# Altium PCB H-00488.PcbDoc (part 8 of 9) (continued)
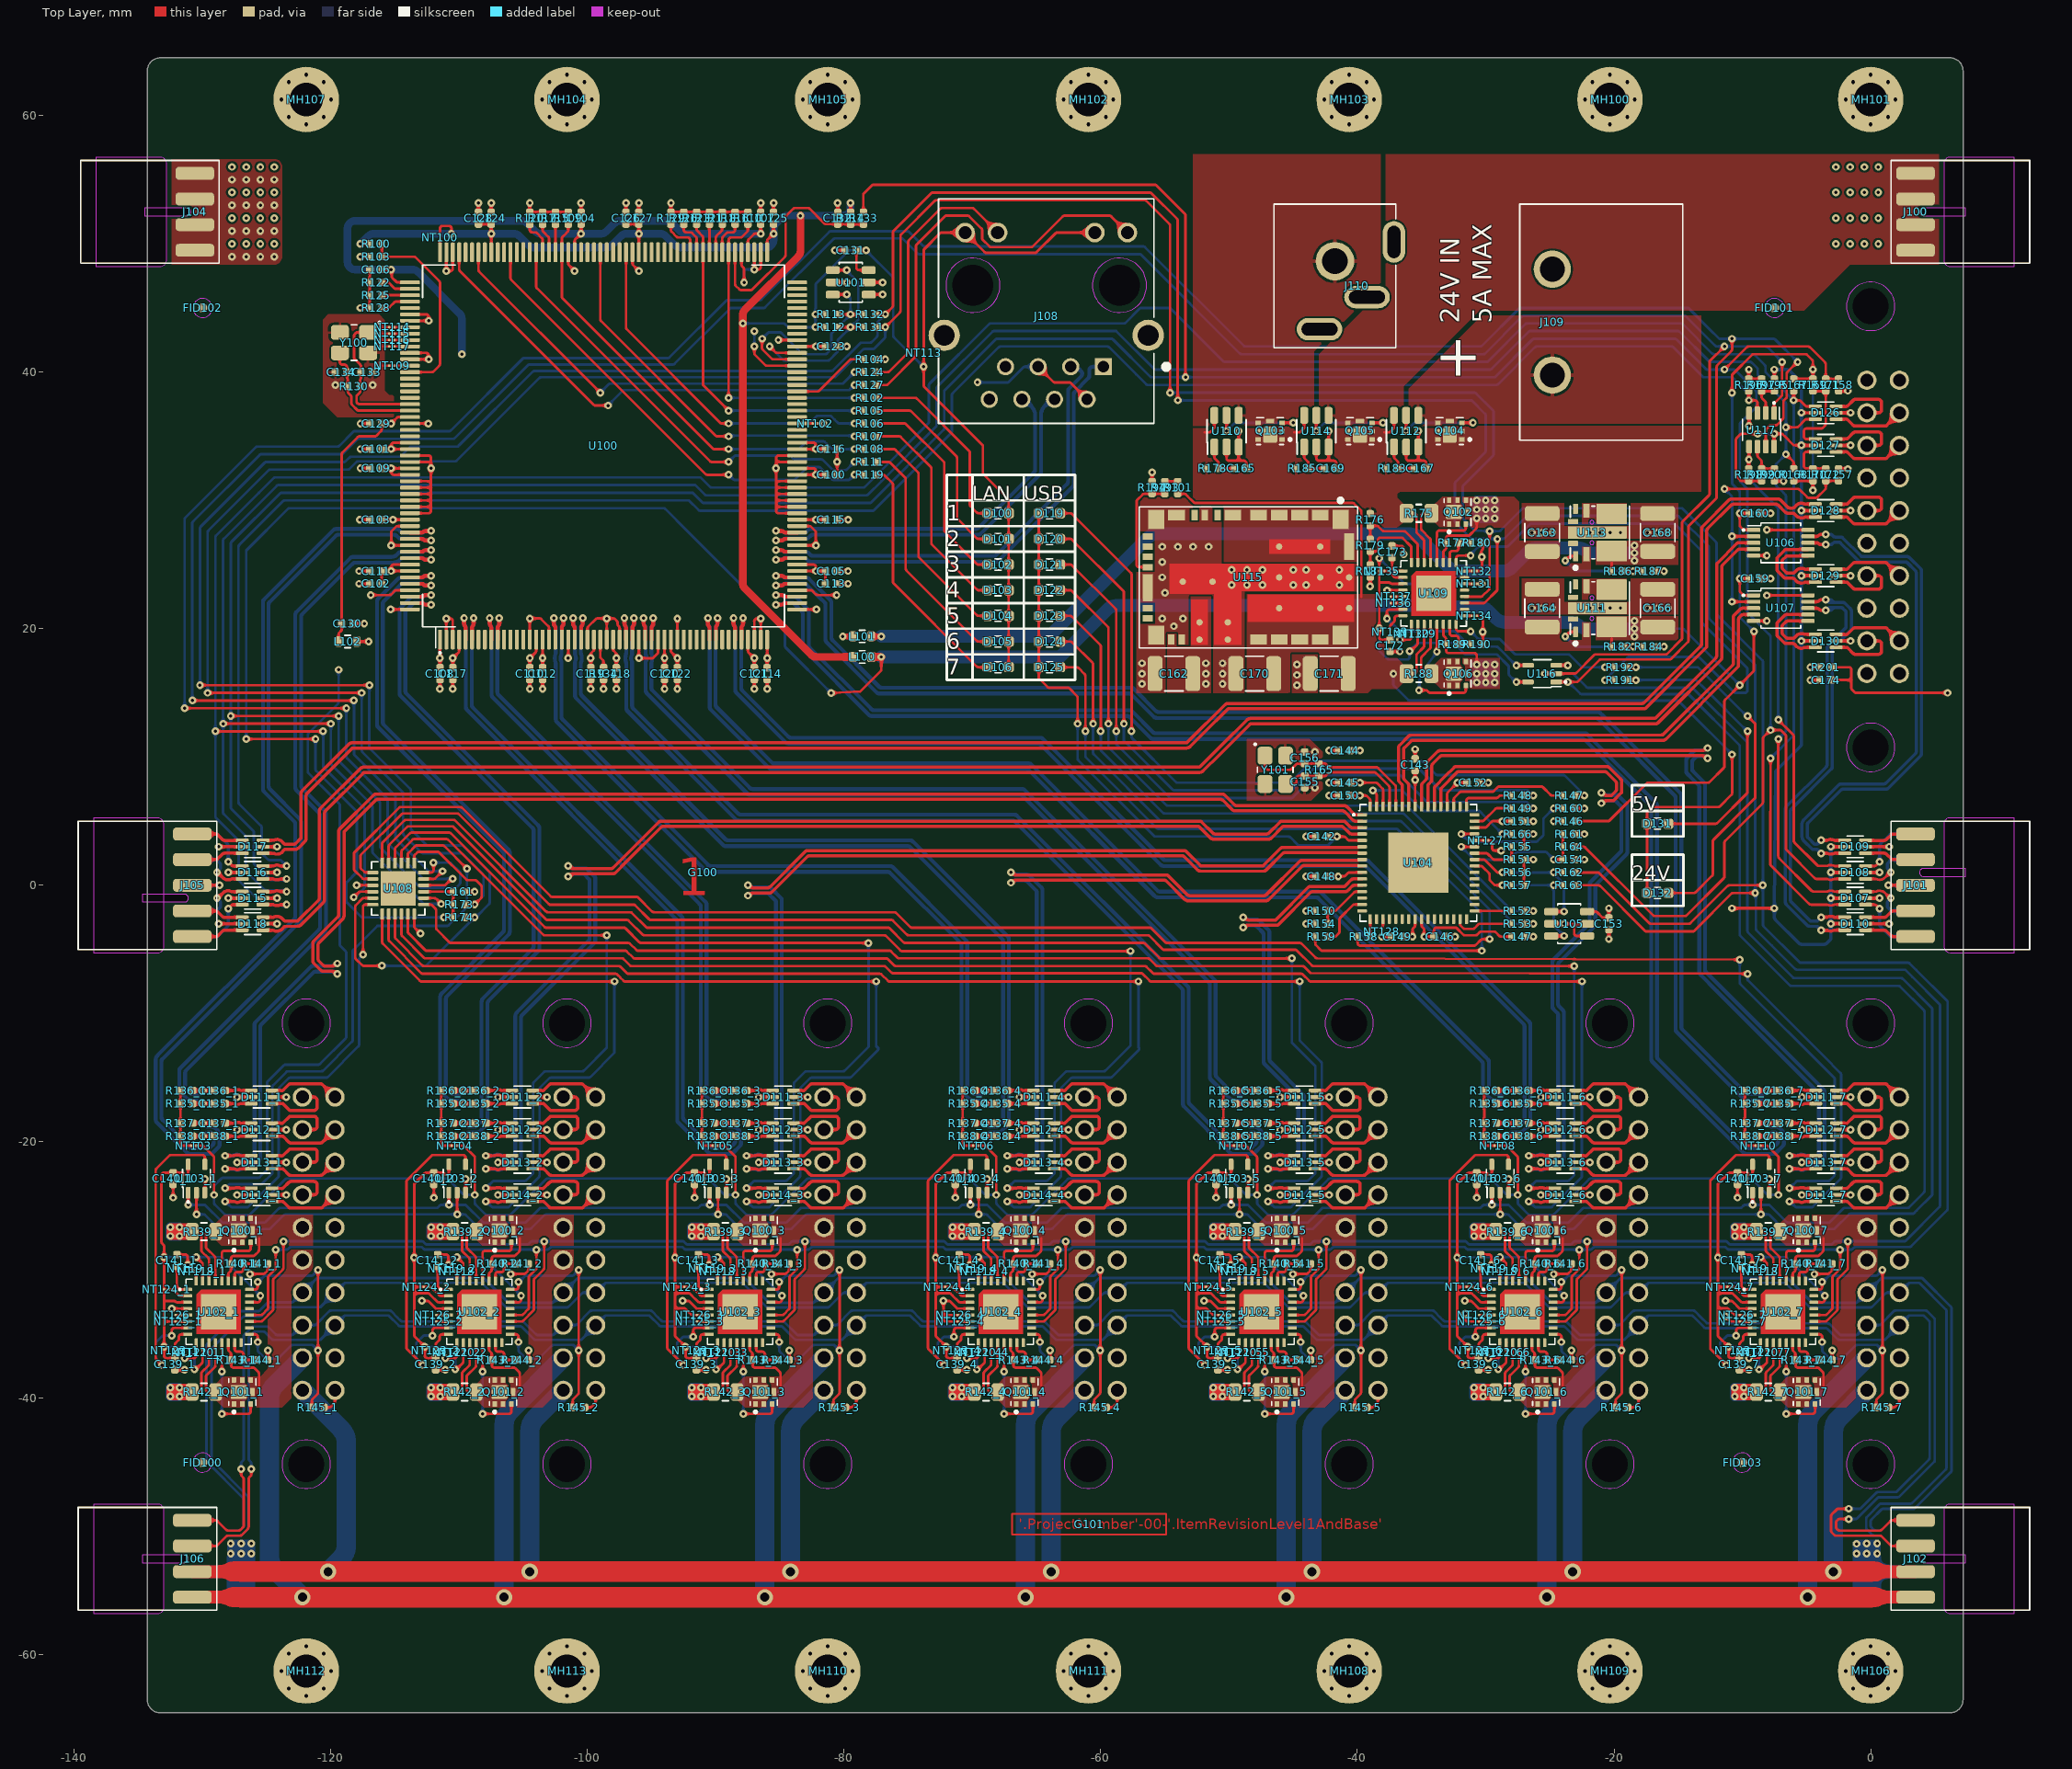
[diagram p0: Top Layer view]
## Nets (pads, with @x,y where several pads share a name; then routed paths per layer and width w, separated by ;. In a path a pad name is that pad's centre, name@x,y a point inside that pad or via, vN(x,y) a via of type N, cw(c..) or ccw(c..) an arc to the next point about the centre after c; other vN are vias at no path point) (continued)
  Top Layer w0.25: v1(-127.3,-24.13) D114_1.5@-126.2,-24.13 ; v1(-127.3,-21.59) D113_1.5@-126.2,-21.59 ; v1(-127.3,-19.05) D112_1.5@-126.2,-19.05 ; v1(-127.3,-16.51) D111_1.5@-126.2,-16.51 ; D118.5@-125.3,-3 D118.5@-125.295,-3 v1(-124.2,-3) ; D115.5@-125.295,-1 v1(-124.195,-1) ; D116.5@-125.295,1 v1(-124.195,1) ; D117.5@-125.295,3 v1(-124.2,3) ; v1(-106.98,-24.13) D114_2.5@-105.88,-24.13 ; v1(-106.98,-21.59) D113_2.5@-105.88,-21.59 ; v1(-106.98,-19.05) D112_2.5@-105.88,-19.05 ; v1(-106.98,-16.51) D111_2.5@-105.88,-16.51 ; v1(-86.66,-24.13) D114_3.5@-85.56,-24.13 ; v1(-86.66,-21.59) D113_3.5@-85.56,-21.59 ; v1(-86.66,-19.05) D112_3.5@-85.56,-19.05 ; v1(-86.66,-16.51) D111_3.5@-85.56,-16.51 ; v1(-66.34,-24.13) D114_4.5@-65.24,-24.13 ; v1(-66.34,-21.59) D113_4.5@-65.24,-21.59 ; v1(-66.34,-19.05) D112_4.5@-65.24,-19.05 ; v1(-66.34,-16.51) D111_4.5@-65.24,-16.51 ; v1(-46.02,-24.13) D114_5.5@-44.92,-24.13 ; v1(-46.02,-21.59) D113_5.5@-44.92,-21.59 ; v1(-46.02,-19.05) D112_5.5@-44.92,-19.05 ; v1(-46.02,-16.51) D111_5.5@-44.92,-16.51 ; v1(-25.7,-24.13) D114_6.5@-24.6,-24.13 ; v1(-25.7,-21.59) D113_6.5@-24.6,-21.59 ; v1(-25.7,-19.05) D112_6.5@-24.6,-19.05 ; v1(-25.7,-16.51) D111_6.5@-24.6,-16.51 ; v1(-10.8,-1.8) v1(-7.5,-1.8) ; v1(-5.395,19.05) D130.5@-4.3,19.05 ; v1(-5.395,24.13) D129.5@-4.3,24.13 ; v1(-5.395,29.21) D128.5@-4.3,29.21 ; v1(-5.395,34.29) D127.5@-4.3,34.29 ; v1(-5.38,-24.13) D114_7.5@-4.28,-24.13 ; v1(-5.38,-21.59) D113_7.5@-4.28,-21.59 ; v1(-5.38,-19.05) D112_7.5@-4.28,-19.05 ; v1(-5.38,-16.51) D111_7.5@-4.28,-16.51 ; v1(-3.11,-3) D110.5@-2.01,-3 ; v1(-3.11,-1) D107.5@-2.01,-1 ; v1(-3.11,1) D108.5@-2.01,1 ; v1(-3.11,3) D109.5@-2.01,3
  Top Layer w0.6: v1(-132.502,-26.654) v1@-131.802,-26.654 ; v1@-132.5,-26.652 v1(-132.5,-27.352) v1(-131.8,-27.352) ; v1@-131.8,-26.657 v1@-131.802,-26.654 ; v1(-131.8,-26.652) v1@-131.802,-26.654 ; v1(-112.182,-26.654) v1@-111.482,-26.654 ; v1@-112.18,-26.652 v1(-112.18,-27.352) v1(-111.48,-27.352) ; v1@-111.48,-26.657 v1@-111.482,-26.654 ; v1(-111.48,-26.652) v1@-111.482,-26.654 ; v1(-91.862,-26.654) v1@-91.162,-26.654 ; v1@-91.86,-26.652 v1(-91.86,-27.352) v1(-91.16,-27.352) ; v1@-91.16,-26.657 v1@-91.162,-26.654 ; v1(-91.16,-26.652) v1@-91.162,-26.654 ; v1(-71.542,-26.654) v1@-70.842,-26.654 ; v1@-71.54,-26.652 v1(-71.54,-27.352) v1(-70.84,-27.352) ; v1@-70.84,-26.657 v1@-70.842,-26.654 ; v1(-70.84,-26.652) v1@-70.842,-26.654 ; v1(-51.222,-26.654) v1@-50.522,-26.654 ; v1@-51.22,-26.652 v1(-51.22,-27.352) v1(-50.52,-27.352) ; v1@-50.52,-26.657 v1@-50.522,-26.654 ; v1(-50.52,-26.652) v1@-50.522,-26.654 ; v1(-30.902,-26.654) v1@-30.202,-26.654 ; v1@-30.9,-26.652 v1(-30.9,-27.352) v1(-30.2,-27.352) ; v1@-30.2,-26.657 v1@-30.202,-26.654 ; v1(-30.2,-26.652) v1@-30.202,-26.654 ; v1(-10.582,-26.654) v1@-9.882,-26.654 ; v1@-10.58,-26.652 v1(-10.58,-27.352) v1(-9.88,-27.352) ; v1@-9.88,-26.657 v1@-9.882,-26.654 ; v1(-9.88,-26.652) v1@-9.882,-26.654
  Top Layer w1.3: -131.8,-27 R139_1.2@-131.01,-27 ; -111.48,-27 R139_2.2@-110.69,-27 ; -91.16,-27 R139_3.2@-90.37,-27 ; -70.84,-27 R139_4.2@-70.05,-27 ; -50.52,-27 R139_5.2@-49.73,-27 ; -30.2,-27 R139_6.2@-29.41,-27 ; -9.88,-27 R139_7.2@-9.09,-27
  Bottom Layer w0.2: v1(-8.8,35.2) v1(-7.525,35.2) ; v1@-5.4,34.29 v1(-5.395,34.29)
  Bottom Layer w0.25: v1(-7.525,35.2) v1@-7.5,35.2 ; v1@-7.509,-1.81 v1(-7.5,-1.8) -7.417,8.782 ; v1@-7.5,-1.9 -7.5,-2.496 ccw(c-7.25,-2.496) -7.427,-2.673 -5.572,-4.528 ccw(c-5.396,-4.35) -5.398,-4.6 -3.604,-4.6 ccw(c-3.604,-4.35) -3.427,-4.527 -3.177,-4.277 ccw(c-3.355,-4.101) -3.105,-4.101 -3.105,-3.105 v1@-3.1,-3.1 ; v1(-7.5,40.2) -6.504,40.2 cw(c-6.504,39.95) -6.326,40.126 -5.472,39.272 cw(c-5.649,39.095) -5.399,39.095 -5.403,36.862 cw(c-5.653,36.862) v1(-5.405,36.83) ; -7.417,8.783 cw(c-7.167,8.78) -7.344,8.956 -5.6,10.7 -5.467,10.833 ccw(c-5.645,11.009) -5.395,11.009 v1(-5.395,19.05) ; v1(-5.405,36.83) cw(c-5.655,36.824) -5.405,36.826 -5.4,36.032 cw(c-5.65,36.03) -5.4,36.03 -5.4,34.29 -5.4,29.21 -5.4,24.13 v1@-5.4,19.05 ; v1@-3.105,-3 v1@-3.105,3
  Bottom Layer w0.75: v1@-132.504,-26.652 v1@-131.804,-26.652 ; v1(-132.502,-26.654) -132.502,-27.35 -131.802,-27.35 v1@-131.802,-26.65 ; v1@-112.184,-26.652 v1@-111.484,-26.652 ; v1(-112.182,-26.654) -112.182,-27.35 -111.482,-27.35 v1@-111.482,-26.65 ; v1@-91.864,-26.652 v1@-91.164,-26.652 ; v1(-91.862,-26.654) -91.862,-27.35 -91.162,-27.35 v1@-91.162,-26.65 ; v1@-71.544,-26.652 v1@-70.844,-26.652 ; v1(-71.542,-26.654) -71.542,-27.35 -70.842,-27.35 v1@-70.842,-26.65 ; v1@-51.224,-26.652 v1@-50.524,-26.652 ; v1(-51.222,-26.654) -51.222,-27.35 -50.522,-27.35 v1@-50.522,-26.65 ; v1@-30.904,-26.652 v1@-30.204,-26.652 ; v1(-30.902,-26.654) -30.902,-27.35 -30.202,-27.35 v1@-30.202,-26.65 ; v1@-30.702,15.8 v1@-29.304,15.8 ; v1@-30.702,15.802 v1@-30.702,17.2 ; v1@-30.7,17.198 v1@-29.302,17.198 ; v1@-30.002,15.802 v1@-30.002,17.2 ; v1@-29.302,15.802 v1@-29.302,17.2 ; v1@-10.584,-26.652 v1@-9.884,-26.652 ; v1(-10.582,-26.654) -10.582,-27.35 -9.882,-27.35 v1@-9.882,-26.65
  other v1: -30.7,15.8 -30,15.8 -29.3,15.8 -30.7,16.5 -30,16.5 -29.3,16.5 -30,17.2 -29.3,17.2
V_24P0: C162.2 C163.2 C164.2 J104.1 J104.2 J104.3 J104.4 Q102.4 Q102.8 R142_1.2 R142_2.2 R142_3.2 R142_4.2 R142_5.2 R142_6.2 R142_7.2 R177.1 U102_1.11 U102_2.11 U102_3.11 U102_4.11 U102_5.11 U102_6.11 U102_7.11 U109.27 U111.2 U113.2 U115.20 U115.22 U115.39 | length 85.2
  Top Layer w0.2: R142_1.2@-130.815,-39.5 -130.294,-39.5 ccw(c-130.294,-39.3) -130.094,-39.3 -130.094,-38.076 cw(c-129.894,-38.076) -130.035,-37.935 -129.559,-37.459 ccw(c-129.7,-37.317) -129.5,-37.317 U102_1.11@-129.5,-35.654 ; R142_2.2@-110.495,-39.5 -109.974,-39.5 ccw(c-109.974,-39.3) -109.774,-39.3 -109.774,-38.076 cw(c-109.574,-38.076) -109.715,-37.935 -109.239,-37.459 ccw(c-109.38,-37.317) -109.18,-37.317 U102_2.11@-109.18,-35.654 ; R142_3.2@-90.175,-39.5 -89.654,-39.5 ccw(c-89.654,-39.3) -89.454,-39.3 -89.454,-38.076 cw(c-89.254,-38.076) -89.395,-37.935 -88.919,-37.459 ccw(c-89.06,-37.317) -88.86,-37.317 U102_3.11@-88.86,-35.654 ; R142_4.2@-69.855,-39.5 -69.334,-39.5 ccw(c-69.334,-39.3) -69.134,-39.3 -69.134,-38.076 cw(c-68.934,-38.076) -69.075,-37.935 -68.599,-37.459 ccw(c-68.74,-37.317) -68.54,-37.317 U102_4.11@-68.54,-35.654 ; R142_5.2@-49.535,-39.5 -49.014,-39.5 ccw(c-49.014,-39.3) -48.814,-39.3 -48.814,-38.076 cw(c-48.614,-38.076) -48.755,-37.935 -48.279,-37.459 ccw(c-48.42,-37.317) -48.22,-37.317 U102_5.11@-48.22,-35.654 ; U109.27@-33.3,25.15 -33.3,25.955 cw(c-33.1,25.955) -33.242,26.097 -33.14,26.199 ccw(c-33.28,26.341) -33.08,26.341 R177.1@-33.08,26.7 ; R177.1@-33.081,26.65 -33.081,27.052 cw(c-32.881,27.052) -32.88,27.252 -31.382,27.252 ccw(c-31.382,27.452) -31.24,27.311 -30.801,27.75 ; -30.8,27.751 -30.766,27.784 -30.759,27.792 ccw(c-30.9,27.933) -30.7,27.933 v1@-30.7,28.449 ; R142_6.2@-29.215,-39.5 -28.694,-39.5 ccw(c-28.694,-39.3) -28.494,-39.3 -28.494,-38.076 cw(c-28.294,-38.076) -28.435,-37.935 -27.959,-37.459 ccw(c-28.1,-37.317) -27.9,-37.317 U102_6.11@-27.9,-35.654 ; R142_7.2@-8.895,-39.5 -8.374,-39.5 ccw(c-8.374,-39.3) -8.174,-39.3 -8.174,-38.076 cw(c-7.974,-38.076) -8.115,-37.935 -7.639,-37.459 ccw(c-7.78,-37.317) -7.58,-37.317 U102_7.11@-7.58,-35.654
  Top Layer w0.6: v1(-132.502,-39.154) v1@-131.802,-39.154 ; v1@-132.5,-39.152 v1(-132.5,-39.852) v1(-131.8,-39.852) ; v1@-131.8,-39.157 v1@-131.802,-39.154 ; v1(-131.8,-39.152) v1@-131.802,-39.154 ; v1(-112.182,-39.154) v1@-111.482,-39.154 ; v1@-112.18,-39.152 v1(-112.18,-39.852) v1(-111.48,-39.852) ; v1@-111.48,-39.157 v1@-111.482,-39.154 ; v1(-111.48,-39.152) v1@-111.482,-39.154 ; v1(-91.862,-39.154) v1@-91.162,-39.154 ; v1@-91.86,-39.152 v1(-91.86,-39.852) v1(-91.16,-39.852) ; v1@-91.16,-39.157 v1@-91.162,-39.154 ; v1(-91.16,-39.152) v1@-91.162,-39.154 ; v1(-71.542,-39.154) v1@-70.842,-39.154 ; v1@-71.54,-39.152 v1(-71.54,-39.852) v1(-70.84,-39.852) ; v1@-70.84,-39.157 v1@-70.842,-39.154 ; v1(-70.84,-39.152) v1@-70.842,-39.154 ; v1(-51.222,-39.154) v1@-50.522,-39.154 ; v1@-51.22,-39.152 v1(-51.22,-39.852) v1(-50.52,-39.852) ; v1@-50.52,-39.157 v1@-50.522,-39.154 ; v1(-50.52,-39.152) v1@-50.522,-39.154 ; v1(-30.902,-39.154) v1@-30.202,-39.154 ; v1@-30.9,-39.152 v1(-30.9,-39.852) v1(-30.2,-39.852) ; v1@-30.2,-39.157 v1@-30.202,-39.154 ; v1(-30.2,-39.152) v1@-30.202,-39.154 ; v1(-10.582,-39.154) v1@-9.882,-39.154 ; v1@-10.58,-39.152 v1(-10.58,-39.852) v1(-9.88,-39.852) ; v1@-9.88,-39.157 v1@-9.882,-39.154 ; v1(-9.88,-39.152) v1@-9.882,-39.154
  Top Layer w1.3: -131.8,-39.5 R142_1.2@-131.01,-39.5 ; -111.48,-39.5 R142_2.2@-110.69,-39.5 ; -91.16,-39.5 R142_3.2@-90.37,-39.5 ; -70.84,-39.5 R142_4.2@-70.05,-39.5 ; -50.52,-39.5 R142_5.2@-49.73,-39.5 ; -30.2,-39.5 R142_6.2@-29.41,-39.5 ; -9.88,-39.5 R142_7.2@-9.09,-39.5
  Bottom Layer w0.75: v1@-132.504,-39.152 v1@-131.804,-39.152 ; v1(-132.502,-39.154) -132.502,-39.85 -131.802,-39.85 v1@-131.802,-39.15 ; v1@-112.184,-39.152 v1@-111.484,-39.152 ; v1(-112.182,-39.154) -112.182,-39.85 -111.482,-39.85 v1@-111.482,-39.15 ; v1@-91.864,-39.152 v1@-91.164,-39.152 ; v1(-91.862,-39.154) -91.862,-39.85 -91.162,-39.85 v1@-91.162,-39.15 ; v1@-71.544,-39.152 v1@-70.844,-39.152 ; v1(-71.542,-39.154) -71.542,-39.85 -70.842,-39.85 v1@-70.842,-39.15 ; v1@-51.224,-39.152 v1@-50.524,-39.152 ; v1(-51.222,-39.154) -51.222,-39.85 -50.522,-39.85 v1@-50.522,-39.15 ; v1@-30.904,-39.152 v1@-30.204,-39.152 ; v1(-30.902,-39.154) -30.902,-39.85 -30.202,-39.85 v1@-30.202,-39.15 ; v1(-30.7,28.6) v1@-29.302,28.6 ; v1@-30.7,28.602 v1(-30.7,30) ; v1@-30.698,29.998 v1@-29.3,29.998 ; v1@-30,28.602 v1(-30,30) ; v1@-29.3,28.602 v1(-29.3,30) ; v1@-10.584,-39.152 v1@-9.884,-39.152 ; v1(-10.582,-39.154) -10.582,-39.85 -9.882,-39.85 v1@-9.882,-39.15
  other v1: -51.8,15.7 -51.8,16.5 -51.8,17.3 -30,28.6 -29.3,28.6 -30.7,29.3 -30,29.3 -29.3,29.3 -127.7,49 -126.6,49 -125.5,49 -124.4,49 -127.7,51 -126.6,51 -125.5,51 -124.4,51 -127.7,53 -126.6,53 -125.5,53 -124.4,53 -127.7,55 -126.6,55 -125.5,55 -124.4,55
V_ADJ1: J102.3 J103_1.B10 J103_2.B10 J103_3.B10 J103_4.B10 J103_5.B10 J103_6.B10 J103_7.B10 J106.2 | length 244.7
  Top Layer w1: J106.2@-130.7,-53.5 -128.636,-53.5 ccw(c-128.636,-52.5) -128.51,-53.492 ; -128.635,-53.484 cw(c-128.635,-54.484) -128.51,-53.492 ; -127,-53.784 -127.505,-53.784 cw(c-127.507,-52.784) -127.885,-53.71 -128.258,-53.558 ccw(c-128.635,-54.484) -128.51,-53.492 ; -127,-53.2 -127.505,-53.2 ccw(c-127.508,-54.2) -127.886,-53.274 -128.259,-53.426 cw(c-128.636,-52.5) -128.51,-53.492 ; -0.3,-53.784 0.205,-53.784 ccw(c0.207,-52.784) 0.585,-53.71 0.958,-53.558 cw(c1.335,-54.484) 1.21,-53.492 ; -0.3,-53.2 0.205,-53.2 cw(c0.208,-54.2) 0.586,-53.274 0.959,-53.426 ccw(c1.336,-52.5) 1.21,-53.492 ; 1.335,-53.484 ccw(c1.335,-54.484) 1.21,-53.492 ; J102.3@3.4,-53.5 1.336,-53.5 cw(c1.336,-52.5) 1.21,-53.492
  Top Layer w1.6: -127,-53.5 -122.22,-53.5 -118.9,-53.5 v3(-104.5,-53.5) -98.58,-53.5 -78.26,-53.5 -57.94,-53.5 -37.62,-53.5 -17.3,-53.5 0,-53.5
  Bottom Layer w1.5: J103_1.B10@-122.22,-39.37 -119.239,-42.351 cw(c-120.3,-43.411) -118.8,-43.411 -118.8,-51.459 cw(c-120.3,-51.459) -119.239,-52.519 v3(-120.22,-53.5) ; v3(-104.5,-53.5) -104.5,-42.591 cw(c-103,-42.591) -104.06,-41.53 J103_2.B10@-101.9,-39.37 ; v3(-84.18,-53.5) -84.18,-42.591 cw(c-82.68,-42.591) -83.74,-41.53 J103_3.B10@-81.58,-39.37 ; v3(-63.86,-53.5) -63.86,-42.591 cw(c-62.36,-42.591) -63.42,-41.53 J103_4.B10@-61.26,-39.37 ; v3(-43.54,-53.5) -43.54,-42.591 cw(c-42.04,-42.591) -43.1,-41.53 J103_5.B10@-40.94,-39.37 ; v3(-23.22,-53.5) -23.22,-42.591 cw(c-21.72,-42.591) -22.78,-41.53 J103_6.B10@-20.62,-39.37 ; v3(-2.9,-53.5) -2.9,-42.591 cw(c-1.4,-42.591) -2.46,-41.53 J103_7.B10@-0.3,-39.37
V_ADJ2: J102.4 J103_1.B9 J103_2.B9 J103_3.B9 J103_4.B9 J103_5.B9 J103_6.B9 J103_7.B9 J106.1 | length 281.6
  Top Layer w1: J106.1@-130.7,-55.5 -128.636,-55.5 ccw(c-128.636,-54.5) -128.51,-55.492 ; -128.635,-55.484 cw(c-128.635,-56.484) -128.51,-55.492 ; -127,-55.784 -127.505,-55.784 cw(c-127.507,-54.784) -127.885,-55.71 -128.258,-55.558 ccw(c-128.635,-56.484) -128.51,-55.492 ; -127,-55.2 -127.505,-55.2 ccw(c-127.508,-56.2) -127.886,-55.274 -128.259,-55.426 cw(c-128.636,-54.5) -128.51,-55.492 ; -0.3,-55.784 0.205,-55.784 ccw(c0.207,-54.784) 0.585,-55.71 0.958,-55.558 cw(c1.335,-56.484) 1.21,-55.492 ; -0.3,-55.2 0.205,-55.2 cw(c0.208,-56.2) 0.586,-55.274 0.959,-55.426 ccw(c1.336,-54.5) 1.21,-55.492 ; 1.335,-55.484 ccw(c1.335,-56.484) 1.21,-55.492 ; J102.4@3.4,-55.5 1.336,-55.5 cw(c1.336,-54.5) 1.21,-55.492
  Top Layer w1.6: -127,-55.5 v3(-122.22,-55.5) v3(-106.5,-55.5) -84.36,-55.5 -64.04,-55.5 -43.72,-55.5 -23.4,-55.5 -3.08,-55.5 0,-55.5
  Bottom Layer w1.5: v3(-122.22,-55.5) -124.361,-53.359 cw(c-123.3,-52.299) -124.8,-52.299 -124.8,-40.031 cw(c-123.3,-40.031) -124.361,-38.971 J103_1.B9@-122.22,-36.83 ; v3(-106.5,-55.5) -106.5,-42.051 cw(c-105,-42.051) -106.059,-40.989 J103_2.B9@-101.9,-36.83 ; v3(-86.18,-55.5) -86.18,-42.051 cw(c-84.68,-42.051) -85.739,-40.989 J103_3.B9@-81.58,-36.83 ; v3(-65.86,-55.5) -65.86,-42.051 cw(c-64.36,-42.051) -65.419,-40.989 J103_4.B9@-61.26,-36.83 ; v3(-45.54,-55.5) -45.54,-42.051 cw(c-44.04,-42.051) -45.099,-40.989 J103_5.B9@-40.94,-36.83 ; v3(-25.22,-55.5) -25.22,-42.051 cw(c-23.72,-42.051) -24.779,-40.989 J103_6.B9@-20.62,-36.83 ; v3(-4.9,-55.5) -4.9,-42.051 cw(c-3.4,-42.051) -4.459,-40.989 J103_7.B9@-0.3,-36.83
V_IN1_24P0: J110.1 Q103.4 Q103.8 U110.4
V_IN2_24P0: J109.1 Q104.4 Q104.8 U112.4
V_IN3_24P0: J100.1 J100.2 J100.3 J100.4 Q105.4 Q105.8 U114.4
V_IN_24P0: Q103.1 Q103.2 Q103.5 Q103.6 Q103.7 Q104.1 Q104.2 Q104.5 Q104.6 Q104.7 Q105.1 Q105.2 Q105.5 Q105.6 Q105.7 R175.2 R176.1 R178.1 R183.1 R185.1 U109.30 U110.6 U112.6 U114.6 | length 10.3
  Top Layer w0.2: -51.9,35.3 -51.583,35.3 ccw(c-51.583,35.5) -51.441,35.359 -51.209,35.591 ccw(c-51.35,35.733) -51.15,35.733 U110.6@-51.15,36.63 ; -44.9,35.3 -44.583,35.3 ccw(c-44.583,35.5) -44.441,35.359 -44.209,35.591 ccw(c-44.35,35.733) -44.15,35.733 U114.6@-44.15,36.63 ; -37.9,35.3 -37.583,35.3 ccw(c-37.583,35.5) -37.441,35.359 -37.209,35.591 ccw(c-37.35,35.733) -37.15,35.733 U112.6@-37.15,36.63 ; R175.2@-36.165,29 -35.871,29 -35.594,29 cw(c-35.594,28.8) -35.394,28.8 -35.394,27.583 -35.394,27.576 ; -35.4,27.583 ccw(c-35.2,27.583) -35.342,27.441 -34.859,26.959 cw(c-35,26.817) -34.8,26.817 U109.30@-34.8,25.15
V_INTVCC_3P3_1: C139_1.1 C140_1.1 NT118_1.1 NT120_1.1 NT122_1.1 NT123_1.1 NT124_1.1 NT125_1.1 U102_1.3 U103_1.5 | length 30.7
  Top Layer w0.2: -133,-32.399 -133,-31.999 NT124_1.1@-133,-31.5 v1(-133,-28.986) -133,-28.151 ccw(c-133.2,-28.151) -133.059,-28.009 -133.141,-27.927 cw(c-133,-27.786) -133.2,-27.786 -133.2,-22.605 cw(c-133,-22.605) -133,-22.405 C140_1.1@-132.3,-22.405 -131.648,-22.405 cw(c-131.648,-22.605) -131.506,-22.464 -131.466,-22.503 ccw(c-131.325,-22.362) -131.125,-22.362 U103_1.5@-131.125,-21.76 ; NT123_1.1@-132.154,-36.454 C139_1.1@-132.154,-36.862 -132.8,-36.862 cw(c-132.8,-36.662) -133,-36.664 v1(-133,-35.97) -133,-34.004 ; NT125_1.1@-132.1,-34.004 -133,-34.004 ; U102_1.3@-131.15,-32.504 -131.984,-32.504 cw(c-131.984,-32.304) -132.117,-32.454 cw(c-131.984,-32.304) -132.126,-32.444 -132.141,-32.435 ccw(c-132.249,-32.603) -132.25,-32.403 -133,-32.403 -133,-34.004 ; v1(-130.629,-37.746) ccw(c-130.629,-37.546) v1@-130.487,-37.687 ; v1@-130.487,-37.687 -130.059,-37.259 ccw(c-130.2,-37.117) -130,-37.117 NT120_1.1@-130,-36.6 ; v1(-130.487,-28.986) -130,-29.474 NT118_1.1@-130,-29.9
  Bottom Layer w0.2: v1(-133,-35.97) -131.451,-35.97 cw(c-131.451,-36.17) -131.309,-36.029 -130.687,-36.651 cw(c-130.829,-36.792) -130.629,-36.791 ; v1(-133,-28.986) v1(-130.487,-28.986) NT122_1.1@-129.81,-28.986 ; v1(-130.629,-37.746) -130.629,-36.792
V_INTVCC_3P3_2: C139_2.1 C140_2.1 NT118_2.1 NT120_2.1 NT122_2.1 NT123_2.1 NT124_2.1 U102_2.3 U103_2.5 | length 32.8
  Top Layer w0.2: NT124_2.1@-112.757,-31.304 -113.503,-31.304 ; v1(-112.68,-35.97) ccw(c-112.828,-36.104) -112.687,-35.963 -113.445,-35.205 cw(c-113.303,-35.063) -113.503,-35.063 -113.503,-32.984 -113.503,-31.804 ; v1(-112.68,-35.97) -112.68,-36.664 ccw(c-112.48,-36.662) -112.48,-36.862 C139_2.1@-111.834,-36.862 NT123_2.1@-111.834,-36.454 ; U102_2.3@-110.83,-32.504 -111.587,-32.504 cw(c-111.586,-32.304) -111.727,-32.446 -112.198,-31.975 -112.311,-31.862 ccw(c-112.452,-32.004) -112.452,-31.804 -113.503,-31.804 ; U103_2.5@-110.805,-21.76 -110.805,-22.362 cw(c-111.005,-22.362) -111.146,-22.503 -111.186,-22.464 ccw(c-111.328,-22.605) -111.328,-22.405 C140_2.1@-111.98,-22.405 -112.554,-22.405 ccw(c-112.554,-22.605) -112.695,-22.463 -113.446,-23.214 ccw(c-113.303,-23.354) -113.503,-23.353 v1(-113.503,-29.023) -113.503,-31.304 ; v1(-110.309,-37.746) ccw(c-110.309,-37.546) v1@-110.167,-37.687 ; v1@-110.167,-37.687 -109.739,-37.259 ccw(c-109.88,-37.117) -109.68,-37.117 NT120_2.1@-109.68,-36.6 ; v1(-110.167,-28.986) -109.68,-29.474 NT118_2.1@-109.68,-29.9 ; -113.503,-31.804 -113.503,-31.304
  Bottom Layer w0.2: v1@-113.473,-29.023 v1(-110.167,-28.986) NT122_2.1@-109.49,-28.986 ; v1(-112.68,-35.97) -111.131,-35.97 cw(c-111.131,-36.17) -110.989,-36.029 -110.367,-36.651 cw(c-110.509,-36.792) -110.309,-36.791 ; v1(-110.309,-37.746) -110.309,-36.792
V_INTVCC_3P3_3: C139_3.1 C140_3.1 NT118_3.1 NT120_3.1 NT122_3.1 NT123_3.1 NT124_3.1 NT126_3.1 U102_3.3 U103_3.5 | length 34.7
  Top Layer w0.2: NT124_3.1@-92.437,-31.304 -93.183,-31.304 ; v1(-92.36,-35.97) ccw(c-92.508,-36.104) -92.367,-35.963 -93.125,-35.205 cw(c-92.983,-35.063) -93.183,-35.063 -93.183,-32.984 ; v1(-92.36,-35.97) -92.36,-36.664 ccw(c-92.16,-36.662) -92.16,-36.862 C139_3.1@-91.514,-36.862 NT123_3.1@-91.514,-36.454 ; NT126_3.1@-91.46,-33.504 -91.661,-33.504 -91.793,-33.504 cw(c-91.793,-33.304) -91.934,-33.446 -92.194,-33.186 -92.337,-33.043 ccw(c-92.479,-33.184) -92.479,-32.984 -93.183,-32.984 ; U102_3.3@-90.51,-32.504 -91.267,-32.504 cw(c-91.266,-32.304) -91.407,-32.446 -91.878,-31.975 -91.991,-31.862 ccw(c-92.132,-32.004) -92.132,-31.804 -93.183,-31.804 ; U103_3.5@-90.485,-21.76 -90.485,-22.362 cw(c-90.685,-22.362) -90.826,-22.503 -90.866,-22.464 ccw(c-91.008,-22.605) -91.008,-22.405 C140_3.1@-91.66,-22.405 -92.234,-22.405 ccw(c-92.234,-22.605) -92.375,-22.463 -93.126,-23.214 ccw(c-92.983,-23.354) -93.183,-23.353 v1(-93.183,-29.023) -93.183,-31.304 ; v1(-89.989,-37.746) ccw(c-89.989,-37.546) v1@-89.847,-37.687 ; v1@-89.847,-37.687 -89.419,-37.259 ccw(c-89.56,-37.117) -89.36,-37.117 NT120_3.1@-89.36,-36.6 ; v1(-89.847,-28.986) -89.36,-29.474 NT118_3.1@-89.36,-29.9 ; -93.183,-32.984 -93.183,-31.804 ; -93.183,-31.804 -93.183,-31.304
  Bottom Layer w0.2: v1@-93.153,-29.023 v1(-89.847,-28.986) NT122_3.1@-89.17,-28.986 ; v1(-92.36,-35.97) -90.811,-35.97 cw(c-90.811,-36.17) -90.669,-36.029 -90.047,-36.651 cw(c-90.189,-36.792) -89.989,-36.791 ; v1(-89.989,-37.746) -89.989,-36.792
V_INTVCC_3P3_4: C139_4.1 C140_4.1 NT118_4.1 NT120_4.1 NT122_4.1 NT123_4.1 NT124_4.1 U102_4.3 U103_4.5 | length 32.8
  Top Layer w0.2: NT124_4.1@-72.117,-31.304 -72.863,-31.304 ; v1(-72.04,-35.97) ccw(c-72.188,-36.104) -72.047,-35.963 -72.805,-35.205 cw(c-72.663,-35.063) -72.863,-35.063 -72.863,-32.984 -72.863,-31.804 ; v1(-72.04,-35.97) -72.04,-36.664 ccw(c-71.84,-36.662) -71.84,-36.862 C139_4.1@-71.194,-36.862 NT123_4.1@-71.194,-36.454 ; U102_4.3@-70.19,-32.504 -70.947,-32.504 cw(c-70.946,-32.304) -71.087,-32.446 -71.558,-31.975 -71.671,-31.862 ccw(c-71.812,-32.004) -71.812,-31.804 -72.863,-31.804 ; U103_4.5@-70.165,-21.76 -70.165,-22.362 cw(c-70.365,-22.362) -70.506,-22.503 -70.546,-22.464 ccw(c-70.688,-22.605) -70.688,-22.405 C140_4.1@-71.34,-22.405 -71.914,-22.405 ccw(c-71.914,-22.605) -72.055,-22.463 -72.806,-23.214 ccw(c-72.663,-23.354) -72.863,-23.353 v1(-72.863,-29.023) -72.863,-31.304 ; v1(-69.669,-37.746) ccw(c-69.669,-37.546) v1@-69.527,-37.687 ; v1@-69.527,-37.687 -69.099,-37.259 ccw(c-69.24,-37.117) -69.04,-37.117 NT120_4.1@-69.04,-36.6 ; v1(-69.527,-28.986) -69.04,-29.474 NT118_4.1@-69.04,-29.9 ; -72.863,-31.804 -72.863,-31.304
  Bottom Layer w0.2: v1@-72.833,-29.023 v1(-69.527,-28.986) NT122_4.1@-68.85,-28.986 ; v1(-72.04,-35.97) -70.491,-35.97 cw(c-70.491,-36.17) -70.349,-36.029 -69.727,-36.651 cw(c-69.869,-36.792) -69.669,-36.791 ; v1(-69.669,-37.746) -69.669,-36.792
V_INTVCC_3P3_5: C139_5.1 C140_5.1 NT118_5.1 NT120_5.1 NT122_5.1 NT123_5.1 NT124_5.1 NT125_5.1 NT126_5.1 U102_5.3 U103_5.5 | length 36.5
  Top Layer w0.2: NT124_5.1@-51.797,-31.304 -52.543,-31.304 ; v1(-51.72,-35.97) ccw(c-51.868,-36.104) -51.727,-35.963 -52.485,-35.205 cw(c-52.343,-35.063) -52.543,-35.063 -52.543,-34.004 ; v1(-51.72,-35.97) -51.72,-36.664 ccw(c-51.52,-36.662) -51.52,-36.862 C139_5.1@-50.874,-36.862 NT123_5.1@-50.874,-36.454 ; NT125_5.1@-50.82,-34.004 -52.543,-34.004 ; NT126_5.1@-50.82,-33.504 -51.021,-33.504 -51.153,-33.504 cw(c-51.153,-33.304) -51.294,-33.446 -51.554,-33.186 -51.697,-33.043 ccw(c-51.839,-33.184) -51.839,-32.984 -52.543,-32.984 ; U102_5.3@-49.87,-32.504 -50.627,-32.504 cw(c-50.626,-32.304) -50.767,-32.446 -51.238,-31.975 -51.351,-31.862 ccw(c-51.492,-32.004) -51.492,-31.804 -52.543,-31.804 ; U103_5.5@-49.845,-21.76 -49.845,-22.362 cw(c-50.045,-22.362) -50.186,-22.503 -50.226,-22.464 ccw(c-50.368,-22.605) -50.368,-22.405 C140_5.1@-51.02,-22.405 -51.594,-22.405 ccw(c-51.594,-22.605) -51.735,-22.463 -52.486,-23.214 ccw(c-52.343,-23.354) -52.543,-23.353 v1(-52.543,-29.023) -52.543,-31.304 ; v1(-49.349,-37.746) ccw(c-49.349,-37.546) v1@-49.207,-37.687 ; v1@-49.207,-37.687 -48.779,-37.259 ccw(c-48.92,-37.117) -48.72,-37.117 NT120_5.1@-48.72,-36.6 ; v1(-49.207,-28.986) -48.72,-29.474 NT118_5.1@-48.72,-29.9 ; -52.543,-34.004 -52.543,-32.984 ; -52.543,-32.984 -52.543,-31.804 ; -52.543,-31.804 -52.543,-31.304
  Bottom Layer w0.2: v1@-52.513,-29.023 v1(-49.207,-28.986) NT122_5.1@-48.53,-28.986 ; v1(-51.72,-35.97) -50.171,-35.97 cw(c-50.171,-36.17) -50.029,-36.029 -49.407,-36.651 cw(c-49.549,-36.792) -49.349,-36.791 ; v1(-49.349,-37.746) -49.349,-36.792
V_INTVCC_3P3_6: C139_6.1 C140_6.1 NT118_6.1 NT120_6.1 NT122_6.1 NT123_6.1 NT124_6.1 U102_6.3 U103_6.5 | length 32.8
  Top Layer w0.2: NT124_6.1@-31.477,-31.304 -32.223,-31.304 ; v1(-31.4,-35.97) ccw(c-31.548,-36.104) -31.407,-35.963 -32.165,-35.205 cw(c-32.023,-35.063) -32.223,-35.063 -32.223,-32.984 -32.223,-31.804 ; v1(-31.4,-35.97) -31.4,-36.664 ccw(c-31.2,-36.662) -31.2,-36.862 C139_6.1@-30.554,-36.862 NT123_6.1@-30.554,-36.454 ; U102_6.3@-29.55,-32.504 -30.307,-32.504 cw(c-30.306,-32.304) -30.447,-32.446 -30.918,-31.975 -31.031,-31.862 ccw(c-31.172,-32.004) -31.172,-31.804 -32.223,-31.804 ; U103_6.5@-29.525,-21.76 -29.525,-22.362 cw(c-29.725,-22.362) -29.866,-22.503 -29.906,-22.464 ccw(c-30.048,-22.605) -30.048,-22.405 C140_6.1@-30.7,-22.405 -31.274,-22.405 ccw(c-31.274,-22.605) -31.415,-22.463 -32.166,-23.214 ccw(c-32.023,-23.354) -32.223,-23.353 v1(-32.223,-29.023) -32.223,-31.304 ; v1(-29.029,-37.746) ccw(c-29.029,-37.546) v1@-28.887,-37.687 ; v1@-28.887,-37.687 -28.459,-37.259 ccw(c-28.6,-37.117) -28.4,-37.117 NT120_6.1@-28.4,-36.6 ; v1(-28.887,-28.986) -28.4,-29.474 NT118_6.1@-28.4,-29.9 ; -32.223,-31.804 -32.223,-31.304
  Bottom Layer w0.2: v1@-32.193,-29.023 v1(-28.887,-28.986) NT122_6.1@-28.21,-28.986 ; v1(-31.4,-35.97) -29.851,-35.97 cw(c-29.851,-36.17) -29.709,-36.029 -29.087,-36.651 cw(c-29.229,-36.792) -29.029,-36.791 ; v1(-29.029,-37.746) -29.029,-36.792
V_INTVCC_3P3_7: C139_7.1 C140_7.1 NT118_7.1 NT120_7.1 NT122_7.1 NT123_7.1 NT124_7.1 NT126_7.1 U102_7.3 U103_7.5 | length 34.7
  Top Layer w0.2: NT124_7.1@-11.157,-31.304 -11.903,-31.304 ; v1(-11.08,-35.97) ccw(c-11.228,-36.104) -11.087,-35.963 -11.845,-35.205 cw(c-11.703,-35.063) -11.903,-35.063 -11.903,-32.984 ; v1(-11.08,-35.97) -11.08,-36.664 ccw(c-10.88,-36.662) -10.88,-36.862 C139_7.1@-10.234,-36.862 NT123_7.1@-10.234,-36.454 ; NT126_7.1@-10.18,-33.504 -10.381,-33.504 -10.513,-33.504 cw(c-10.513,-33.304) -10.654,-33.446 -10.914,-33.186 -11.057,-33.043 ccw(c-11.199,-33.184) -11.199,-32.984 -11.903,-32.984 ; U102_7.3@-9.23,-32.504 -9.987,-32.504 cw(c-9.986,-32.304) -10.127,-32.446 -10.598,-31.975 -10.711,-31.862 ccw(c-10.852,-32.004) -10.852,-31.804 -11.903,-31.804 ; U103_7.5@-9.205,-21.76 -9.205,-22.362 cw(c-9.405,-22.362) -9.546,-22.503 -9.586,-22.464 ccw(c-9.728,-22.605) -9.728,-22.405 C140_7.1@-10.38,-22.405 -10.954,-22.405 ccw(c-10.954,-22.605) -11.095,-22.463 -11.846,-23.214 ccw(c-11.703,-23.354) -11.903,-23.353 v1(-11.903,-29.023) -11.903,-31.304 ; v1(-8.709,-37.746) ccw(c-8.709,-37.546) v1@-8.567,-37.687 ; v1@-8.567,-37.687 -8.139,-37.259 ccw(c-8.28,-37.117) -8.08,-37.117 NT120_7.1@-8.08,-36.6 ; v1(-8.567,-28.986) -8.08,-29.474 NT118_7.1@-8.08,-29.9 ; -11.903,-32.984 -11.903,-31.804 ; -11.903,-31.804 -11.903,-31.304
  Bottom Layer w0.2: v1@-11.873,-29.023 v1(-8.567,-28.986) NT122_7.1@-7.89,-28.986 ; v1(-11.08,-35.97) -9.531,-35.97 cw(c-9.531,-36.17) -9.389,-36.029 -8.767,-36.651 cw(c-8.909,-36.792) -8.709,-36.791 ; v1(-8.709,-37.746) -8.709,-36.792